# KiCad board EOutside.kicad_pcb (continued)
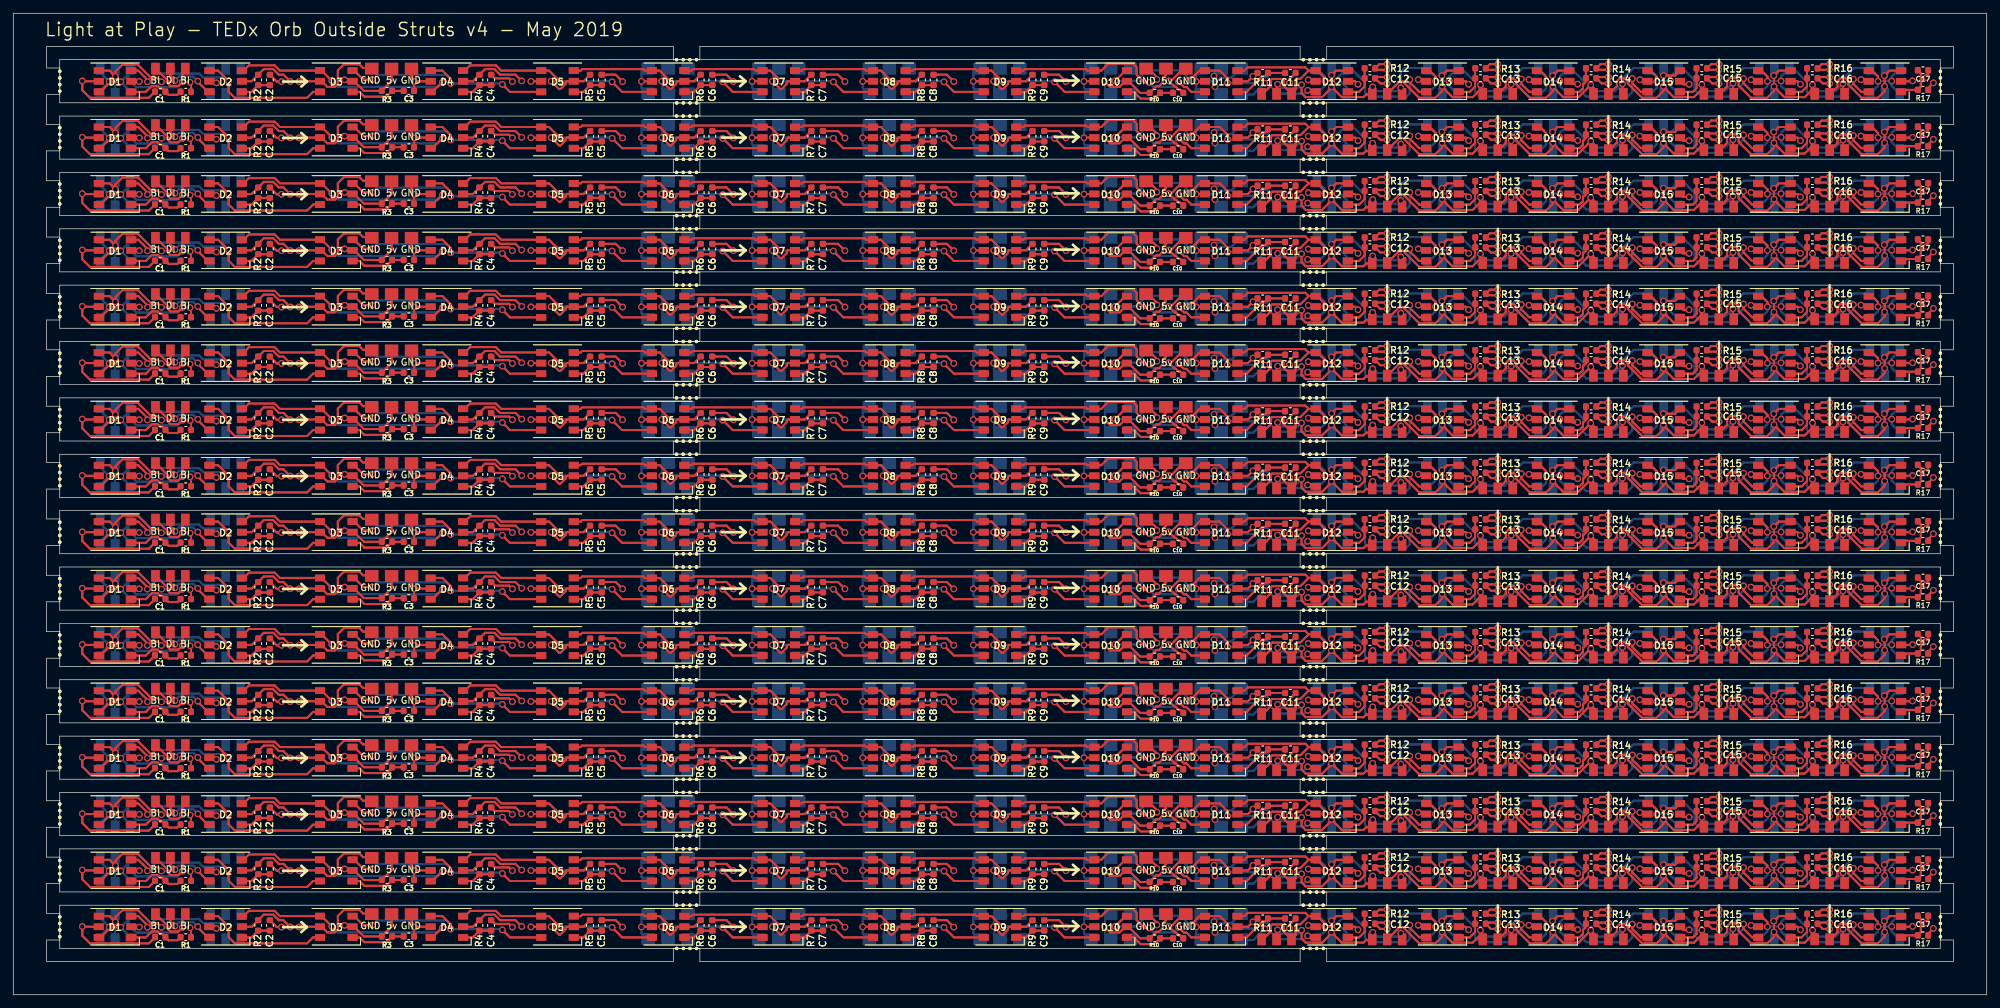
[diagram p0: board, top side]
## Placement (name value [footprint] x y rotation side) (continued)
D10#6  WS2813  [LED_WS2812_PLCC6_5.0x5.0mm_P1.6mm]  165.33 112.25 180 top
D10#7  WS2813  [LED_WS2812_PLCC6_5.0x5.0mm_P1.6mm]  165.33 137.75 180 top
D10#8  WS2813  [LED_WS2812_PLCC6_5.0x5.0mm_P1.6mm]  165.33 129.25 180 top
D10#9  WS2813  [LED_WS2812_PLCC6_5.0x5.0mm_P1.6mm]  165.33 86.75 180 top
D10#10  WS2813  [LED_WS2812_PLCC6_5.0x5.0mm_P1.6mm]  165.33 78.25 180 top
D10#11  WS2813  [LED_WS2812_PLCC6_5.0x5.0mm_P1.6mm]  165.33 78.25 180 top
D10#12  WS2813  [LED_WS2812_PLCC6_5.0x5.0mm_P1.6mm]  165.33 86.75 180 top
D10#13  WS2813  [LED_WS2812_PLCC6_5.0x5.0mm_P1.6mm]  165.33 103.75 180 top
D10#14  WS2813  [LED_WS2812_PLCC6_5.0x5.0mm_P1.6mm]  165.33 103.75 180 top
D10#15  WS2813  [LED_WS2812_PLCC6_5.0x5.0mm_P1.6mm]  165.33 95.25 180 top
D10#16  WS2813  [LED_WS2812_PLCC6_5.0x5.0mm_P1.6mm]  165.33 95.25 180 top
D10#17  WS2813  [LED_WS2812_PLCC6_5.0x5.0mm_P1.6mm]  165.33 69.75 180 top
D10#18  WS2813  [LED_WS2812_PLCC6_5.0x5.0mm_P1.6mm]  165.33 52.75 180 top
D10#19  WS2813  [LED_WS2812_PLCC6_5.0x5.0mm_P1.6mm]  165.33 44.25 180 top
D10#20  WS2813  [LED_WS2812_PLCC6_5.0x5.0mm_P1.6mm]  165.33 44.25 180 top
D10#21  WS2813  [LED_WS2812_PLCC6_5.0x5.0mm_P1.6mm]  165.33 69.75 180 top
D10#22  WS2813  [LED_WS2812_PLCC6_5.0x5.0mm_P1.6mm]  165.33 61.25 180 top
D10#23  WS2813  [LED_WS2812_PLCC6_5.0x5.0mm_P1.6mm]  165.33 52.75 180 top
D10#24  WS2813  [LED_WS2812_PLCC6_5.0x5.0mm_P1.6mm]  165.33 61.25 180 top
D10#25  WS2813  [LED_WS2812_PLCC6_5.0x5.0mm_P1.6mm]  165.33 35.75 180 top
D10#26  WS2813  [LED_WS2812_PLCC6_5.0x5.0mm_P1.6mm]  165.33 10.25 180 top
D10#27  WS2813  [LED_WS2812_PLCC6_5.0x5.0mm_P1.6mm]  165.33 10.25 180 top
D10#28  WS2813  [LED_WS2812_PLCC6_5.0x5.0mm_P1.6mm]  165.33 35.75 180 top
D10#29  WS2813  [LED_WS2812_PLCC6_5.0x5.0mm_P1.6mm]  165.33 27.25 180 top
D10#30  WS2813  [LED_WS2812_PLCC6_5.0x5.0mm_P1.6mm]  165.33 18.75 180 top
D10#31  WS2813  [LED_WS2812_PLCC6_5.0x5.0mm_P1.6mm]  165.33 18.75 180 top
D10#32  WS2813  [LED_WS2812_PLCC6_5.0x5.0mm_P1.6mm]  165.33 27.25 180 top
D11  WS2813  [LED_WS2812_PLCC6_5.0x5.0mm_P1.6mm]  182 137.75 180 top
D11#2  WS2813  [LED_WS2812_PLCC6_5.0x5.0mm_P1.6mm]  182 129.25 180 top
D11#3  WS2813  [LED_WS2812_PLCC6_5.0x5.0mm_P1.6mm]  182 120.75 180 top
D11#4  WS2813  [LED_WS2812_PLCC6_5.0x5.0mm_P1.6mm]  182 112.25 180 top
D11#5  WS2813  [LED_WS2812_PLCC6_5.0x5.0mm_P1.6mm]  182 120.75 180 top
D11#6  WS2813  [LED_WS2812_PLCC6_5.0x5.0mm_P1.6mm]  182 137.75 180 top
D11#7  WS2813  [LED_WS2812_PLCC6_5.0x5.0mm_P1.6mm]  182 112.25 180 top
D11#8  WS2813  [LED_WS2812_PLCC6_5.0x5.0mm_P1.6mm]  182 129.25 180 top
D11#9  WS2813  [LED_WS2812_PLCC6_5.0x5.0mm_P1.6mm]  182 86.75 180 top
D11#10  WS2813  [LED_WS2812_PLCC6_5.0x5.0mm_P1.6mm]  182 86.75 180 top
D11#11  WS2813  [LED_WS2812_PLCC6_5.0x5.0mm_P1.6mm]  182 103.75 180 top
D11#12  WS2813  [LED_WS2812_PLCC6_5.0x5.0mm_P1.6mm]  182 103.75 180 top
D11#13  WS2813  [LED_WS2812_PLCC6_5.0x5.0mm_P1.6mm]  182 78.25 180 top
D11#14  WS2813  [LED_WS2812_PLCC6_5.0x5.0mm_P1.6mm]  182 78.25 180 top
D11#15  WS2813  [LED_WS2812_PLCC6_5.0x5.0mm_P1.6mm]  182 95.25 180 top
D11#16  WS2813  [LED_WS2812_PLCC6_5.0x5.0mm_P1.6mm]  182 95.25 180 top
D11#17  WS2813  [LED_WS2812_PLCC6_5.0x5.0mm_P1.6mm]  182 69.75 180 top
D11#18  WS2813  [LED_WS2812_PLCC6_5.0x5.0mm_P1.6mm]  182 69.75 180 top
D11#19  WS2813  [LED_WS2812_PLCC6_5.0x5.0mm_P1.6mm]  182 61.25 180 top
D11#20  WS2813  [LED_WS2812_PLCC6_5.0x5.0mm_P1.6mm]  182 52.75 180 top
D11#21  WS2813  [LED_WS2812_PLCC6_5.0x5.0mm_P1.6mm]  182 44.25 180 top
D11#22  WS2813  [LED_WS2812_PLCC6_5.0x5.0mm_P1.6mm]  182 52.75 180 top
D11#23  WS2813  [LED_WS2812_PLCC6_5.0x5.0mm_P1.6mm]  182 61.25 180 top
D11#24  WS2813  [LED_WS2812_PLCC6_5.0x5.0mm_P1.6mm]  182 44.25 180 top
D11#25  WS2813  [LED_WS2812_PLCC6_5.0x5.0mm_P1.6mm]  182 35.75 180 top
D11#26  WS2813  [LED_WS2812_PLCC6_5.0x5.0mm_P1.6mm]  182 35.75 180 top
D11#27  WS2813  [LED_WS2812_PLCC6_5.0x5.0mm_P1.6mm]  182 27.25 180 top
D11#28  WS2813  [LED_WS2812_PLCC6_5.0x5.0mm_P1.6mm]  182 18.75 180 top
D11#29  WS2813  [LED_WS2812_PLCC6_5.0x5.0mm_P1.6mm]  182 10.25 180 top
D11#30  WS2813  [LED_WS2812_PLCC6_5.0x5.0mm_P1.6mm]  182 18.75 180 top
D11#31  WS2813  [LED_WS2812_PLCC6_5.0x5.0mm_P1.6mm]  182 27.25 180 top
D11#32  WS2813  [LED_WS2812_PLCC6_5.0x5.0mm_P1.6mm]  182 10.25 180 top
D12  WS2813  [LED_WS2812_PLCC6_5.0x5.0mm_P1.6mm]  198.67 137.75 180 top
D12#2  WS2813  [LED_WS2812_PLCC6_5.0x5.0mm_P1.6mm]  198.67 129.25 180 top
D12#3  WS2813  [LED_WS2812_PLCC6_5.0x5.0mm_P1.6mm]  198.67 120.75 180 top
D12#4  WS2813  [LED_WS2812_PLCC6_5.0x5.0mm_P1.6mm]  198.67 112.25 180 top
D12#5  WS2813  [LED_WS2812_PLCC6_5.0x5.0mm_P1.6mm]  198.67 120.75 180 top
D12#6  WS2813  [LED_WS2812_PLCC6_5.0x5.0mm_P1.6mm]  198.67 137.75 180 top
D12#7  WS2813  [LED_WS2812_PLCC6_5.0x5.0mm_P1.6mm]  198.67 112.25 180 top
D12#8  WS2813  [LED_WS2812_PLCC6_5.0x5.0mm_P1.6mm]  198.67 129.25 180 top
D12#9  WS2813  [LED_WS2812_PLCC6_5.0x5.0mm_P1.6mm]  198.67 86.75 180 top
D12#10  WS2813  [LED_WS2812_PLCC6_5.0x5.0mm_P1.6mm]  198.67 86.75 180 top
D12#11  WS2813  [LED_WS2812_PLCC6_5.0x5.0mm_P1.6mm]  198.67 103.75 180 top
D12#12  WS2813  [LED_WS2812_PLCC6_5.0x5.0mm_P1.6mm]  198.67 103.75 180 top
D12#13  WS2813  [LED_WS2812_PLCC6_5.0x5.0mm_P1.6mm]  198.67 78.25 180 top
D12#14  WS2813  [LED_WS2812_PLCC6_5.0x5.0mm_P1.6mm]  198.67 78.25 180 top
D12#15  WS2813  [LED_WS2812_PLCC6_5.0x5.0mm_P1.6mm]  198.67 95.25 180 top
D12#16  WS2813  [LED_WS2812_PLCC6_5.0x5.0mm_P1.6mm]  198.67 95.25 180 top
D12#17  WS2813  [LED_WS2812_PLCC6_5.0x5.0mm_P1.6mm]  198.67 69.75 180 top
D12#18  WS2813  [LED_WS2812_PLCC6_5.0x5.0mm_P1.6mm]  198.67 52.75 180 top
D12#19  WS2813  [LED_WS2812_PLCC6_5.0x5.0mm_P1.6mm]  198.67 52.75 180 top
D12#20  WS2813  [LED_WS2812_PLCC6_5.0x5.0mm_P1.6mm]  198.67 69.75 180 top
D12#21  WS2813  [LED_WS2812_PLCC6_5.0x5.0mm_P1.6mm]  198.67 61.25 180 top
D12#22  WS2813  [LED_WS2812_PLCC6_5.0x5.0mm_P1.6mm]  198.67 61.25 180 top
D12#23  WS2813  [LED_WS2812_PLCC6_5.0x5.0mm_P1.6mm]  198.67 44.25 180 top
D12#24  WS2813  [LED_WS2812_PLCC6_5.0x5.0mm_P1.6mm]  198.67 44.25 180 top
D12#25  WS2813  [LED_WS2812_PLCC6_5.0x5.0mm_P1.6mm]  198.67 18.75 180 top
D12#26  WS2813  [LED_WS2812_PLCC6_5.0x5.0mm_P1.6mm]  198.67 18.75 180 top
D12#27  WS2813  [LED_WS2812_PLCC6_5.0x5.0mm_P1.6mm]  198.67 35.75 180 top
D12#28  WS2813  [LED_WS2812_PLCC6_5.0x5.0mm_P1.6mm]  198.67 27.25 180 top
D12#29  WS2813  [LED_WS2812_PLCC6_5.0x5.0mm_P1.6mm]  198.67 35.75 180 top
D12#30  WS2813  [LED_WS2812_PLCC6_5.0x5.0mm_P1.6mm]  198.67 27.25 180 top
D12#31  WS2813  [LED_WS2812_PLCC6_5.0x5.0mm_P1.6mm]  198.67 10.25 180 top
D12#32  WS2813  [LED_WS2812_PLCC6_5.0x5.0mm_P1.6mm]  198.67 10.25 180 top
D13  WS2813  [LED_WS2812_PLCC6_5.0x5.0mm_P1.6mm]  215.33 137.75 180 top
D13#2  WS2813  [LED_WS2812_PLCC6_5.0x5.0mm_P1.6mm]  215.33 129.25 180 top
D13#3  WS2813  [LED_WS2812_PLCC6_5.0x5.0mm_P1.6mm]  215.33 120.75 180 top
D13#4  WS2813  [LED_WS2812_PLCC6_5.0x5.0mm_P1.6mm]  215.33 112.25 180 top
D13#5  WS2813  [LED_WS2812_PLCC6_5.0x5.0mm_P1.6mm]  215.33 112.25 180 top
D13#6  WS2813  [LED_WS2812_PLCC6_5.0x5.0mm_P1.6mm]  215.33 120.75 180 top
D13#7  WS2813  [LED_WS2812_PLCC6_5.0x5.0mm_P1.6mm]  215.33 137.75 180 top
D13#8  WS2813  [LED_WS2812_PLCC6_5.0x5.0mm_P1.6mm]  215.33 129.25 180 top
D13#9  WS2813  [LED_WS2812_PLCC6_5.0x5.0mm_P1.6mm]  215.33 78.25 180 top
D13#10  WS2813  [LED_WS2812_PLCC6_5.0x5.0mm_P1.6mm]  215.33 86.75 180 top
D13#11  WS2813  [LED_WS2812_PLCC6_5.0x5.0mm_P1.6mm]  215.33 103.75 180 top
D13#12  WS2813  [LED_WS2812_PLCC6_5.0x5.0mm_P1.6mm]  215.33 86.75 180 top
D13#13  WS2813  [LED_WS2812_PLCC6_5.0x5.0mm_P1.6mm]  215.33 78.25 180 top
D13#14  WS2813  [LED_WS2812_PLCC6_5.0x5.0mm_P1.6mm]  215.33 95.25 180 top
D13#15  WS2813  [LED_WS2812_PLCC6_5.0x5.0mm_P1.6mm]  215.33 103.75 180 top
D13#16  WS2813  [LED_WS2812_PLCC6_5.0x5.0mm_P1.6mm]  215.33 95.25 180 top
D13#17  WS2813  [LED_WS2812_PLCC6_5.0x5.0mm_P1.6mm]  215.33 52.75 180 top
D13#18  WS2813  [LED_WS2812_PLCC6_5.0x5.0mm_P1.6mm]  215.33 44.25 180 top
D13#19  WS2813  [LED_WS2812_PLCC6_5.0x5.0mm_P1.6mm]  215.33 52.75 180 top
D13#20  WS2813  [LED_WS2812_PLCC6_5.0x5.0mm_P1.6mm]  215.33 44.25 180 top
D13#21  WS2813  [LED_WS2812_PLCC6_5.0x5.0mm_P1.6mm]  215.33 61.25 180 top
D13#22  WS2813  [LED_WS2812_PLCC6_5.0x5.0mm_P1.6mm]  215.33 61.25 180 top
D13#23  WS2813  [LED_WS2812_PLCC6_5.0x5.0mm_P1.6mm]  215.33 69.75 180 top
D13#24  WS2813  [LED_WS2812_PLCC6_5.0x5.0mm_P1.6mm]  215.33 69.75 180 top
D13#25  WS2813  [LED_WS2812_PLCC6_5.0x5.0mm_P1.6mm]  215.33 27.25 180 top
D13#26  WS2813  [LED_WS2812_PLCC6_5.0x5.0mm_P1.6mm]  215.33 18.75 180 top
D13#27  WS2813  [LED_WS2812_PLCC6_5.0x5.0mm_P1.6mm]  215.33 18.75 180 top
D13#28  WS2813  [LED_WS2812_PLCC6_5.0x5.0mm_P1.6mm]  215.33 10.25 180 top
D13#29  WS2813  [LED_WS2812_PLCC6_5.0x5.0mm_P1.6mm]  215.33 10.25 180 top
D13#30  WS2813  [LED_WS2812_PLCC6_5.0x5.0mm_P1.6mm]  215.33 35.75 180 top
D13#31  WS2813  [LED_WS2812_PLCC6_5.0x5.0mm_P1.6mm]  215.33 35.75 180 top
D13#32  WS2813  [LED_WS2812_PLCC6_5.0x5.0mm_P1.6mm]  215.33 27.25 180 top
D14  WS2813  [LED_WS2812_PLCC6_5.0x5.0mm_P1.6mm]  232 137.75 180 top
D14#2  WS2813  [LED_WS2812_PLCC6_5.0x5.0mm_P1.6mm]  232 129.25 180 top
D14#3  WS2813  [LED_WS2812_PLCC6_5.0x5.0mm_P1.6mm]  232 120.75 180 top
D14#4  WS2813  [LED_WS2812_PLCC6_5.0x5.0mm_P1.6mm]  232 112.25 180 top
D14#5  WS2813  [LED_WS2812_PLCC6_5.0x5.0mm_P1.6mm]  232 120.75 180 top
D14#6  WS2813  [LED_WS2812_PLCC6_5.0x5.0mm_P1.6mm]  232 112.25 180 top
D14#7  WS2813  [LED_WS2812_PLCC6_5.0x5.0mm_P1.6mm]  232 137.75 180 top
D14#8  WS2813  [LED_WS2812_PLCC6_5.0x5.0mm_P1.6mm]  232 129.25 180 top
D14#9  WS2813  [LED_WS2812_PLCC6_5.0x5.0mm_P1.6mm]  232 86.75 180 top
D14#10  WS2813  [LED_WS2812_PLCC6_5.0x5.0mm_P1.6mm]  232 78.25 180 top
D14#11  WS2813  [LED_WS2812_PLCC6_5.0x5.0mm_P1.6mm]  232 103.75 180 top
D14#12  WS2813  [LED_WS2812_PLCC6_5.0x5.0mm_P1.6mm]  232 78.25 180 top
D14#13  WS2813  [LED_WS2812_PLCC6_5.0x5.0mm_P1.6mm]  232 86.75 180 top
D14#14  WS2813  [LED_WS2812_PLCC6_5.0x5.0mm_P1.6mm]  232 95.25 180 top
D14#15  WS2813  [LED_WS2812_PLCC6_5.0x5.0mm_P1.6mm]  232 95.25 180 top
D14#16  WS2813  [LED_WS2812_PLCC6_5.0x5.0mm_P1.6mm]  232 103.75 180 top
D14#17  WS2813  [LED_WS2812_PLCC6_5.0x5.0mm_P1.6mm]  232 61.25 180 top
D14#18  WS2813  [LED_WS2812_PLCC6_5.0x5.0mm_P1.6mm]  232 52.75 180 top
D14#19  WS2813  [LED_WS2812_PLCC6_5.0x5.0mm_P1.6mm]  232 44.25 180 top
D14#20  WS2813  [LED_WS2812_PLCC6_5.0x5.0mm_P1.6mm]  232 52.75 180 top
D14#21  WS2813  [LED_WS2812_PLCC6_5.0x5.0mm_P1.6mm]  232 61.25 180 top
D14#22  WS2813  [LED_WS2812_PLCC6_5.0x5.0mm_P1.6mm]  232 69.75 180 top
D14#23  WS2813  [LED_WS2812_PLCC6_5.0x5.0mm_P1.6mm]  232 69.75 180 top
D14#24  WS2813  [LED_WS2812_PLCC6_5.0x5.0mm_P1.6mm]  232 44.25 180 top
D14#25  WS2813  [LED_WS2812_PLCC6_5.0x5.0mm_P1.6mm]  232 27.25 180 top
D14#26  WS2813  [LED_WS2812_PLCC6_5.0x5.0mm_P1.6mm]  232 18.75 180 top
D14#27  WS2813  [LED_WS2812_PLCC6_5.0x5.0mm_P1.6mm]  232 18.75 180 top
D14#28  WS2813  [LED_WS2812_PLCC6_5.0x5.0mm_P1.6mm]  232 27.25 180 top
D14#29  WS2813  [LED_WS2812_PLCC6_5.0x5.0mm_P1.6mm]  232 10.25 180 top
D14#30  WS2813  [LED_WS2812_PLCC6_5.0x5.0mm_P1.6mm]  232 35.75 180 top
D14#31  WS2813  [LED_WS2812_PLCC6_5.0x5.0mm_P1.6mm]  232 10.25 180 top
D14#32  WS2813  [LED_WS2812_PLCC6_5.0x5.0mm_P1.6mm]  232 35.75 180 top
D15  WS2813  [LED_WS2812_PLCC6_5.0x5.0mm_P1.6mm]  248.67 137.75 180 top
D15#2  WS2813  [LED_WS2812_PLCC6_5.0x5.0mm_P1.6mm]  248.67 129.25 180 top
D15#3  WS2813  [LED_WS2812_PLCC6_5.0x5.0mm_P1.6mm]  248.67 120.75 180 top
D15#4  WS2813  [LED_WS2812_PLCC6_5.0x5.0mm_P1.6mm]  248.67 112.25 180 top
D15#5  WS2813  [LED_WS2812_PLCC6_5.0x5.0mm_P1.6mm]  248.67 120.75 180 top
D15#6  WS2813  [LED_WS2812_PLCC6_5.0x5.0mm_P1.6mm]  248.67 112.25 180 top
D15#7  WS2813  [LED_WS2812_PLCC6_5.0x5.0mm_P1.6mm]  248.67 137.75 180 top
D15#8  WS2813  [LED_WS2812_PLCC6_5.0x5.0mm_P1.6mm]  248.67 129.25 180 top
D15#9  WS2813  [LED_WS2812_PLCC6_5.0x5.0mm_P1.6mm]  248.67 86.75 180 top
D15#10  WS2813  [LED_WS2812_PLCC6_5.0x5.0mm_P1.6mm]  248.67 86.75 180 top
D15#11  WS2813  [LED_WS2812_PLCC6_5.0x5.0mm_P1.6mm]  248.67 78.25 180 top
D15#12  WS2813  [LED_WS2812_PLCC6_5.0x5.0mm_P1.6mm]  248.67 103.75 180 top
D15#13  WS2813  [LED_WS2812_PLCC6_5.0x5.0mm_P1.6mm]  248.67 103.75 180 top
D15#14  WS2813  [LED_WS2812_PLCC6_5.0x5.0mm_P1.6mm]  248.67 95.25 180 top
D15#15  WS2813  [LED_WS2812_PLCC6_5.0x5.0mm_P1.6mm]  248.67 78.25 180 top
D15#16  WS2813  [LED_WS2812_PLCC6_5.0x5.0mm_P1.6mm]  248.67 95.25 180 top
D15#17  WS2813  [LED_WS2812_PLCC6_5.0x5.0mm_P1.6mm]  248.67 52.75 180 top
D15#18  WS2813  [LED_WS2812_PLCC6_5.0x5.0mm_P1.6mm]  248.67 44.25 180 top
D15#19  WS2813  [LED_WS2812_PLCC6_5.0x5.0mm_P1.6mm]  248.67 69.75 180 top
D15#20  WS2813  [LED_WS2812_PLCC6_5.0x5.0mm_P1.6mm]  248.67 61.25 180 top
D15#21  WS2813  [LED_WS2812_PLCC6_5.0x5.0mm_P1.6mm]  248.67 69.75 180 top
D15#22  WS2813  [LED_WS2812_PLCC6_5.0x5.0mm_P1.6mm]  248.67 61.25 180 top
D15#23  WS2813  [LED_WS2812_PLCC6_5.0x5.0mm_P1.6mm]  248.67 44.25 180 top
D15#24  WS2813  [LED_WS2812_PLCC6_5.0x5.0mm_P1.6mm]  248.67 52.75 180 top
D15#25  WS2813  [LED_WS2812_PLCC6_5.0x5.0mm_P1.6mm]  248.67 27.25 180 top
D15#26  WS2813  [LED_WS2812_PLCC6_5.0x5.0mm_P1.6mm]  248.67 10.25 180 top
D15#27  WS2813  [LED_WS2812_PLCC6_5.0x5.0mm_P1.6mm]  248.67 10.25 180 top
D15#28  WS2813  [LED_WS2812_PLCC6_5.0x5.0mm_P1.6mm]  248.67 18.75 180 top
D15#29  WS2813  [LED_WS2812_PLCC6_5.0x5.0mm_P1.6mm]  248.67 35.75 180 top
D15#30  WS2813  [LED_WS2812_PLCC6_5.0x5.0mm_P1.6mm]  248.67 35.75 180 top
D15#31  WS2813  [LED_WS2812_PLCC6_5.0x5.0mm_P1.6mm]  248.67 27.25 180 top
D15#32  WS2813  [LED_WS2812_PLCC6_5.0x5.0mm_P1.6mm]  248.67 18.75 180 top
D16  WS2813  [LED_WS2812_PLCC6_5.0x5.0mm_P1.6mm]  265.33 137.75 180 top
D16#2  WS2813  [LED_WS2812_PLCC6_5.0x5.0mm_P1.6mm]  265.33 129.25 180 top
D16#3  WS2813  [LED_WS2812_PLCC6_5.0x5.0mm_P1.6mm]  265.33 120.75 180 top
D16#4  WS2813  [LED_WS2812_PLCC6_5.0x5.0mm_P1.6mm]  265.33 112.25 180 top
D16#5  WS2813  [LED_WS2812_PLCC6_5.0x5.0mm_P1.6mm]  265.33 120.75 180 top
D16#6  WS2813  [LED_WS2812_PLCC6_5.0x5.0mm_P1.6mm]  265.33 112.25 180 top
D16#7  WS2813  [LED_WS2812_PLCC6_5.0x5.0mm_P1.6mm]  265.33 137.75 180 top
D16#8  WS2813  [LED_WS2812_PLCC6_5.0x5.0mm_P1.6mm]  265.33 129.25 180 top
D16#9  WS2813  [LED_WS2812_PLCC6_5.0x5.0mm_P1.6mm]  265.33 86.75 180 top
D16#10  WS2813  [LED_WS2812_PLCC6_5.0x5.0mm_P1.6mm]  265.33 78.25 180 top
D16#11  WS2813  [LED_WS2812_PLCC6_5.0x5.0mm_P1.6mm]  265.33 103.75 180 top
D16#12  WS2813  [LED_WS2812_PLCC6_5.0x5.0mm_P1.6mm]  265.33 78.25 180 top
D16#13  WS2813  [LED_WS2812_PLCC6_5.0x5.0mm_P1.6mm]  265.33 95.25 180 top
D16#14  WS2813  [LED_WS2812_PLCC6_5.0x5.0mm_P1.6mm]  265.33 95.25 180 top
D16#15  WS2813  [LED_WS2812_PLCC6_5.0x5.0mm_P1.6mm]  265.33 103.75 180 top
D16#16  WS2813  [LED_WS2812_PLCC6_5.0x5.0mm_P1.6mm]  265.33 86.75 180 top
D16#17  WS2813  [LED_WS2812_PLCC6_5.0x5.0mm_P1.6mm]  265.33 61.25 180 top
D16#18  WS2813  [LED_WS2812_PLCC6_5.0x5.0mm_P1.6mm]  265.33 44.25 180 top
D16#19  WS2813  [LED_WS2812_PLCC6_5.0x5.0mm_P1.6mm]  265.33 61.25 180 top
D16#20  WS2813  [LED_WS2812_PLCC6_5.0x5.0mm_P1.6mm]  265.33 52.75 180 top
D16#21  WS2813  [LED_WS2812_PLCC6_5.0x5.0mm_P1.6mm]  265.33 69.75 180 top
D16#22  WS2813  [LED_WS2812_PLCC6_5.0x5.0mm_P1.6mm]  265.33 52.75 180 top
D16#23  WS2813  [LED_WS2812_PLCC6_5.0x5.0mm_P1.6mm]  265.33 44.25 180 top
D16#24  WS2813  [LED_WS2812_PLCC6_5.0x5.0mm_P1.6mm]  265.33 69.75 180 top
D16#25  WS2813  [LED_WS2812_PLCC6_5.0x5.0mm_P1.6mm]  265.33 27.25 180 top
D16#26  WS2813  [LED_WS2812_PLCC6_5.0x5.0mm_P1.6mm]  265.33 10.25 180 top
D16#27  WS2813  [LED_WS2812_PLCC6_5.0x5.0mm_P1.6mm]  265.33 35.75 180 top
D16#28  WS2813  [LED_WS2812_PLCC6_5.0x5.0mm_P1.6mm]  265.33 18.75 180 top
D16#29  WS2813  [LED_WS2812_PLCC6_5.0x5.0mm_P1.6mm]  265.33 35.75 180 top
D16#30  WS2813  [LED_WS2812_PLCC6_5.0x5.0mm_P1.6mm]  265.33 27.25 180 top
D16#31  WS2813  [LED_WS2812_PLCC6_5.0x5.0mm_P1.6mm]  265.33 10.25 180 top
D16#32  WS2813  [LED_WS2812_PLCC6_5.0x5.0mm_P1.6mm]  265.33 18.75 180 top
D17  WS2813  [LED_WS2812_PLCC6_5.0x5.0mm_P1.6mm]  282 137.75 180 top
D17#2  WS2813  [LED_WS2812_PLCC6_5.0x5.0mm_P1.6mm]  282 129.25 180 top
D17#3  WS2813  [LED_WS2812_PLCC6_5.0x5.0mm_P1.6mm]  282 120.75 180 top
D17#4  WS2813  [LED_WS2812_PLCC6_5.0x5.0mm_P1.6mm]  282 112.25 180 top
D17#5  WS2813  [LED_WS2812_PLCC6_5.0x5.0mm_P1.6mm]  282 120.75 180 top
D17#6  WS2813  [LED_WS2812_PLCC6_5.0x5.0mm_P1.6mm]  282 137.75 180 top
D17#7  WS2813  [LED_WS2812_PLCC6_5.0x5.0mm_P1.6mm]  282 129.25 180 top
D17#8  WS2813  [LED_WS2812_PLCC6_5.0x5.0mm_P1.6mm]  282 112.25 180 top
D17#9  WS2813  [LED_WS2812_PLCC6_5.0x5.0mm_P1.6mm]  282 86.75 180 top
D17#10  WS2813  [LED_WS2812_PLCC6_5.0x5.0mm_P1.6mm]  282 103.75 180 top
D17#11  WS2813  [LED_WS2812_PLCC6_5.0x5.0mm_P1.6mm]  282 95.25 180 top
D17#12  WS2813  [LED_WS2812_PLCC6_5.0x5.0mm_P1.6mm]  282 78.25 180 top
D17#13  WS2813  [LED_WS2812_PLCC6_5.0x5.0mm_P1.6mm]  282 95.25 180 top
D17#14  WS2813  [LED_WS2812_PLCC6_5.0x5.0mm_P1.6mm]  282 103.75 180 top
D17#15  WS2813  [LED_WS2812_PLCC6_5.0x5.0mm_P1.6mm]  282 86.75 180 top
D17#16  WS2813  [LED_WS2812_PLCC6_5.0x5.0mm_P1.6mm]  282 78.25 180 top
D17#17  WS2813  [LED_WS2812_PLCC6_5.0x5.0mm_P1.6mm]  282 61.25 180 top
D17#18  WS2813  [LED_WS2812_PLCC6_5.0x5.0mm_P1.6mm]  282 52.75 180 top
D17#19  WS2813  [LED_WS2812_PLCC6_5.0x5.0mm_P1.6mm]  282 61.25 180 top
D17#20  WS2813  [LED_WS2812_PLCC6_5.0x5.0mm_P1.6mm]  282 69.75 180 top
D17#21  WS2813  [LED_WS2812_PLCC6_5.0x5.0mm_P1.6mm]  282 69.75 180 top
D17#22  WS2813  [LED_WS2812_PLCC6_5.0x5.0mm_P1.6mm]  282 44.25 180 top
D17#23  WS2813  [LED_WS2812_PLCC6_5.0x5.0mm_P1.6mm]  282 44.25 180 top
D17#24  WS2813  [LED_WS2812_PLCC6_5.0x5.0mm_P1.6mm]  282 52.75 180 top
D17#25  WS2813  [LED_WS2812_PLCC6_5.0x5.0mm_P1.6mm]  282 10.25 180 top
D17#26  WS2813  [LED_WS2812_PLCC6_5.0x5.0mm_P1.6mm]  282 18.75 180 top
D17#27  WS2813  [LED_WS2812_PLCC6_5.0x5.0mm_P1.6mm]  282 27.25 180 top
D17#28  WS2813  [LED_WS2812_PLCC6_5.0x5.0mm_P1.6mm]  282 35.75 180 top
D17#29  WS2813  [LED_WS2812_PLCC6_5.0x5.0mm_P1.6mm]  282 18.75 180 top
D17#30  WS2813  [LED_WS2812_PLCC6_5.0x5.0mm_P1.6mm]  282 35.75 180 top
D17#31  WS2813  [LED_WS2812_PLCC6_5.0x5.0mm_P1.6mm]  282 27.25 180 top
D17#32  WS2813  [LED_WS2812_PLCC6_5.0x5.0mm_P1.6mm]  282 10.25 180 top
J6  PWR_BRIDGE  [TEDX_PWR_BRIDGE]  57 141 0 top
J6#2  PWR_BRIDGE  [TEDX_PWR_BRIDGE]  173.67 141 0 top
J6#3  PWR_BRIDGE  [TEDX_PWR_BRIDGE]  173.67 132.5 0 top
J6#4  PWR_BRIDGE  [TEDX_PWR_BRIDGE]  57 132.5 0 top
J6#5  PWR_BRIDGE  [TEDX_PWR_BRIDGE]  173.67 124 0 top
J6#6  PWR_BRIDGE  [TEDX_PWR_BRIDGE]  57 124 0 top
J6#7  PWR_BRIDGE  [TEDX_PWR_BRIDGE]  57 115.5 0 top
J6#8  PWR_BRIDGE  [TEDX_PWR_BRIDGE]  173.67 115.5 0 top
J6#9  PWR_BRIDGE  [TEDX_PWR_BRIDGE]  173.67 124 0 top
J6#10  PWR_BRIDGE  [TEDX_PWR_BRIDGE]  57 124 0 top
J6#11  PWR_BRIDGE  [TEDX_PWR_BRIDGE]  57 115.5 0 top
J6#12  PWR_BRIDGE  [TEDX_PWR_BRIDGE]  173.67 115.5 0 top
J6#13  PWR_BRIDGE  [TEDX_PWR_BRIDGE]  173.67 141 0 top
J6#14  PWR_BRIDGE  [TEDX_PWR_BRIDGE]  57 141 0 top
J6#15  PWR_BRIDGE  [TEDX_PWR_BRIDGE]  57 132.5 0 top
J6#16  PWR_BRIDGE  [TEDX_PWR_BRIDGE]  173.67 132.5 0 top
J6#17  PWR_BRIDGE  [TEDX_PWR_BRIDGE]  173.67 90 0 top
J6#18  PWR_BRIDGE  [TEDX_PWR_BRIDGE]  57 90 0 top
J6#19  PWR_BRIDGE  [TEDX_PWR_BRIDGE]  57 81.5 0 top
J6#20  PWR_BRIDGE  [TEDX_PWR_BRIDGE]  173.67 81.5 0 top
J6#21  PWR_BRIDGE  [TEDX_PWR_BRIDGE]  173.67 107 0 top
J6#22  PWR_BRIDGE  [TEDX_PWR_BRIDGE]  57 107 0 top
J6#23  PWR_BRIDGE  [TEDX_PWR_BRIDGE]  57 81.5 0 top
J6#24  PWR_BRIDGE  [TEDX_PWR_BRIDGE]  173.67 81.5 0 top
J6#25  PWR_BRIDGE  [TEDX_PWR_BRIDGE]  57 98.5 0 top
J6#26  PWR_BRIDGE  [TEDX_PWR_BRIDGE]  173.67 98.5 0 top
J6#27  PWR_BRIDGE  [TEDX_PWR_BRIDGE]  173.67 98.5 0 top
J6#28  PWR_BRIDGE  [TEDX_PWR_BRIDGE]  57 98.5 0 top
J6#29  PWR_BRIDGE  [TEDX_PWR_BRIDGE]  173.67 107 0 top
J6#30  PWR_BRIDGE  [TEDX_PWR_BRIDGE]  57 107 0 top
J6#31  PWR_BRIDGE  [TEDX_PWR_BRIDGE]  173.67 90 0 top
J6#32  PWR_BRIDGE  [TEDX_PWR_BRIDGE]  57 90 0 top
J6#33  PWR_BRIDGE  [TEDX_PWR_BRIDGE]  57 47.5 0 top
J6#34  PWR_BRIDGE  [TEDX_PWR_BRIDGE]  173.67 47.5 0 top
J6#35  PWR_BRIDGE  [TEDX_PWR_BRIDGE]  57 64.5 0 top
J6#36  PWR_BRIDGE  [TEDX_PWR_BRIDGE]  173.67 64.5 0 top
J6#37  PWR_BRIDGE  [TEDX_PWR_BRIDGE]  173.67 73 0 top
J6#38  PWR_BRIDGE  [TEDX_PWR_BRIDGE]  57 73 0 top
J6#39  PWR_BRIDGE  [TEDX_PWR_BRIDGE]  173.67 56 0 top
J6#40  PWR_BRIDGE  [TEDX_PWR_BRIDGE]  57 56 0 top
J6#41  PWR_BRIDGE  [TEDX_PWR_BRIDGE]  57 64.5 0 top
J6#42  PWR_BRIDGE  [TEDX_PWR_BRIDGE]  173.67 56 0 top
J6#43  PWR_BRIDGE  [TEDX_PWR_BRIDGE]  57 56 0 top
J6#44  PWR_BRIDGE  [TEDX_PWR_BRIDGE]  173.67 64.5 0 top
J6#45  PWR_BRIDGE  [TEDX_PWR_BRIDGE]  173.67 47.5 0 top
J6#46  PWR_BRIDGE  [TEDX_PWR_BRIDGE]  57 47.5 0 top
J6#47  PWR_BRIDGE  [TEDX_PWR_BRIDGE]  173.67 73 0 top
J6#48  PWR_BRIDGE  [TEDX_PWR_BRIDGE]  57 73 0 top
J6#49  PWR_BRIDGE  [TEDX_PWR_BRIDGE]  57 13.5 0 top
J6#50  PWR_BRIDGE  [TEDX_PWR_BRIDGE]  173.67 13.5 0 top
J6#51  PWR_BRIDGE  [TEDX_PWR_BRIDGE]  173.67 13.5 0 top
J6#52  PWR_BRIDGE  [TEDX_PWR_BRIDGE]  57 13.5 0 top
J6#53  PWR_BRIDGE  [TEDX_PWR_BRIDGE]  173.67 39 0 top
J6#54  PWR_BRIDGE  [TEDX_PWR_BRIDGE]  57 39 0 top
J6#55  PWR_BRIDGE  [TEDX_PWR_BRIDGE]  173.67 39 0 top
J6#56  PWR_BRIDGE  [TEDX_PWR_BRIDGE]  57 39 0 top
J6#57  PWR_BRIDGE  [TEDX_PWR_BRIDGE]  57 30.5 0 top
J6#58  PWR_BRIDGE  [TEDX_PWR_BRIDGE]  173.67 22 0 top
J6#59  PWR_BRIDGE  [TEDX_PWR_BRIDGE]  57 22 0 top
J6#60  PWR_BRIDGE  [TEDX_PWR_BRIDGE]  57 30.5 0 top
J6#61  PWR_BRIDGE  [TEDX_PWR_BRIDGE]  173.67 30.5 0 top
J6#62  PWR_BRIDGE  [TEDX_PWR_BRIDGE]  173.67 22 0 top
J6#63  PWR_BRIDGE  [TEDX_PWR_BRIDGE]  57 22 0 top
J6#64  PWR_BRIDGE  [TEDX_PWR_BRIDGE]  173.67 30.5 0 top
J6#65  PWR_BRIDGE  [TEDX_PWR_BRIDGE]  115.33 141 180 bottom
J6#66  PWR_BRIDGE  [TEDX_PWR_BRIDGE]  115.33 134.5 0 bottom
J6#67  PWR_BRIDGE  [TEDX_PWR_BRIDGE]  98.67 134.55 0 bottom
J6#68  PWR_BRIDGE  [TEDX_PWR_BRIDGE]  132 141 180 bottom
J6#69  PWR_BRIDGE  [TEDX_PWR_BRIDGE]  132 134.5 0 bottom
J6#70  PWR_BRIDGE  [TEDX_PWR_BRIDGE]  148.67 134.5 0 bottom
J6#71  PWR_BRIDGE  [TEDX_PWR_BRIDGE]  148.67 141 180 bottom
J6#72  PWR_BRIDGE  [TEDX_PWR_BRIDGE]  165.33 134.5 0 bottom
J6#73  PWR_BRIDGE  [TEDX_PWR_BRIDGE]  165.33 141 180 bottom
J6#74  PWR_BRIDGE  [TEDX_PWR_BRIDGE]  182 141 180 bottom
J6#75  PWR_BRIDGE  [TEDX_PWR_BRIDGE]  182 134.5 0 bottom
J6#76  PWR_BRIDGE  [TEDX_PWR_BRIDGE]  98.67 141 180 bottom
J6#77  PWR_BRIDGE  [TEDX_PWR_BRIDGE]  98.67 132.5 180 bottom
J6#78  PWR_BRIDGE  [TEDX_PWR_BRIDGE]  115.33 126 0 bottom
J6#79  PWR_BRIDGE  [TEDX_PWR_BRIDGE]  115.33 132.5 180 bottom
J6#80  PWR_BRIDGE  [TEDX_PWR_BRIDGE]  165.33 126 0 bottom
J6#81  PWR_BRIDGE  [TEDX_PWR_BRIDGE]  148.67 132.5 180 bottom
J6#82  PWR_BRIDGE  [TEDX_PWR_BRIDGE]  148.67 126 0 bottom
J6#83  PWR_BRIDGE  [TEDX_PWR_BRIDGE]  132 126 0 bottom
J6#84  PWR_BRIDGE  [TEDX_PWR_BRIDGE]  132 132.5 180 bottom
J6#85  PWR_BRIDGE  [TEDX_PWR_BRIDGE]  98.67 126.05 0 bottom
J6#86  PWR_BRIDGE  [TEDX_PWR_BRIDGE]  182 126 0 bottom
J6#87  PWR_BRIDGE  [TEDX_PWR_BRIDGE]  182 132.5 180 bottom
J6#88  PWR_BRIDGE  [TEDX_PWR_BRIDGE]  165.33 132.5 180 bottom
J6#89  PWR_BRIDGE  [TEDX_PWR_BRIDGE]  98.67 124 180 bottom
J6#90  PWR_BRIDGE  [TEDX_PWR_BRIDGE]  115.33 117.5 0 bottom
J6#91  PWR_BRIDGE  [TEDX_PWR_BRIDGE]  115.33 124 180 bottom
J6#92  PWR_BRIDGE  [TEDX_PWR_BRIDGE]  165.33 117.5 0 bottom
J6#93  PWR_BRIDGE  [TEDX_PWR_BRIDGE]  148.67 124 180 bottom
J6#94  PWR_BRIDGE  [TEDX_PWR_BRIDGE]  148.67 117.5 0 bottom
J6#95  PWR_BRIDGE  [TEDX_PWR_BRIDGE]  132 117.5 0 bottom
J6#96  PWR_BRIDGE  [TEDX_PWR_BRIDGE]  132 124 180 bottom
J6#97  PWR_BRIDGE  [TEDX_PWR_BRIDGE]  98.67 117.55 0 bottom
J6#98  PWR_BRIDGE  [TEDX_PWR_BRIDGE]  182 117.5 0 bottom
J6#99  PWR_BRIDGE  [TEDX_PWR_BRIDGE]  182 124 180 bottom
J6#100  PWR_BRIDGE  [TEDX_PWR_BRIDGE]  165.33 124 180 bottom
J6#101  PWR_BRIDGE  [TEDX_PWR_BRIDGE]  182 115.5 180 bottom
J6#102  PWR_BRIDGE  [TEDX_PWR_BRIDGE]  165.33 115.5 180 bottom
J6#103  PWR_BRIDGE  [TEDX_PWR_BRIDGE]  98.67 115.5 180 bottom
J6#104  PWR_BRIDGE  [TEDX_PWR_BRIDGE]  182 109 0 bottom
J6#105  PWR_BRIDGE  [TEDX_PWR_BRIDGE]  115.33 109 0 bottom
J6#106  PWR_BRIDGE  [TEDX_PWR_BRIDGE]  115.33 115.5 180 bottom
J6#107  PWR_BRIDGE  [TEDX_PWR_BRIDGE]  165.33 109 0 bottom
J6#108  PWR_BRIDGE  [TEDX_PWR_BRIDGE]  148.67 115.5 180 bottom
J6#109  PWR_BRIDGE  [TEDX_PWR_BRIDGE]  148.67 109 0 bottom
J6#110  PWR_BRIDGE  [TEDX_PWR_BRIDGE]  132 109 0 bottom
J6#111  PWR_BRIDGE  [TEDX_PWR_BRIDGE]  132 115.5 180 bottom
J6#112  PWR_BRIDGE  [TEDX_PWR_BRIDGE]  98.67 109.05 0 bottom
J6#113  PWR_BRIDGE  [TEDX_PWR_BRIDGE]  98.67 124 180 bottom
J6#114  PWR_BRIDGE  [TEDX_PWR_BRIDGE]  115.33 117.5 0 bottom
J6#115  PWR_BRIDGE  [TEDX_PWR_BRIDGE]  115.33 124 180 bottom
J6#116  PWR_BRIDGE  [TEDX_PWR_BRIDGE]  165.33 117.5 0 bottom
J6#117  PWR_BRIDGE  [TEDX_PWR_BRIDGE]  148.67 124 180 bottom
J6#118  PWR_BRIDGE  [TEDX_PWR_BRIDGE]  148.67 117.5 0 bottom